# Altium PCB SimPad_Nano.PcbDoc
Units mm, origin at the board's own origin, x right, y up, seen from the top; angles counter-clockwise.
Board outline 48.82 x 20 mm, 2 copper layers (Top Layer, Bottom Layer); 11 components, 12 nets, 71 pads, 2 vias.
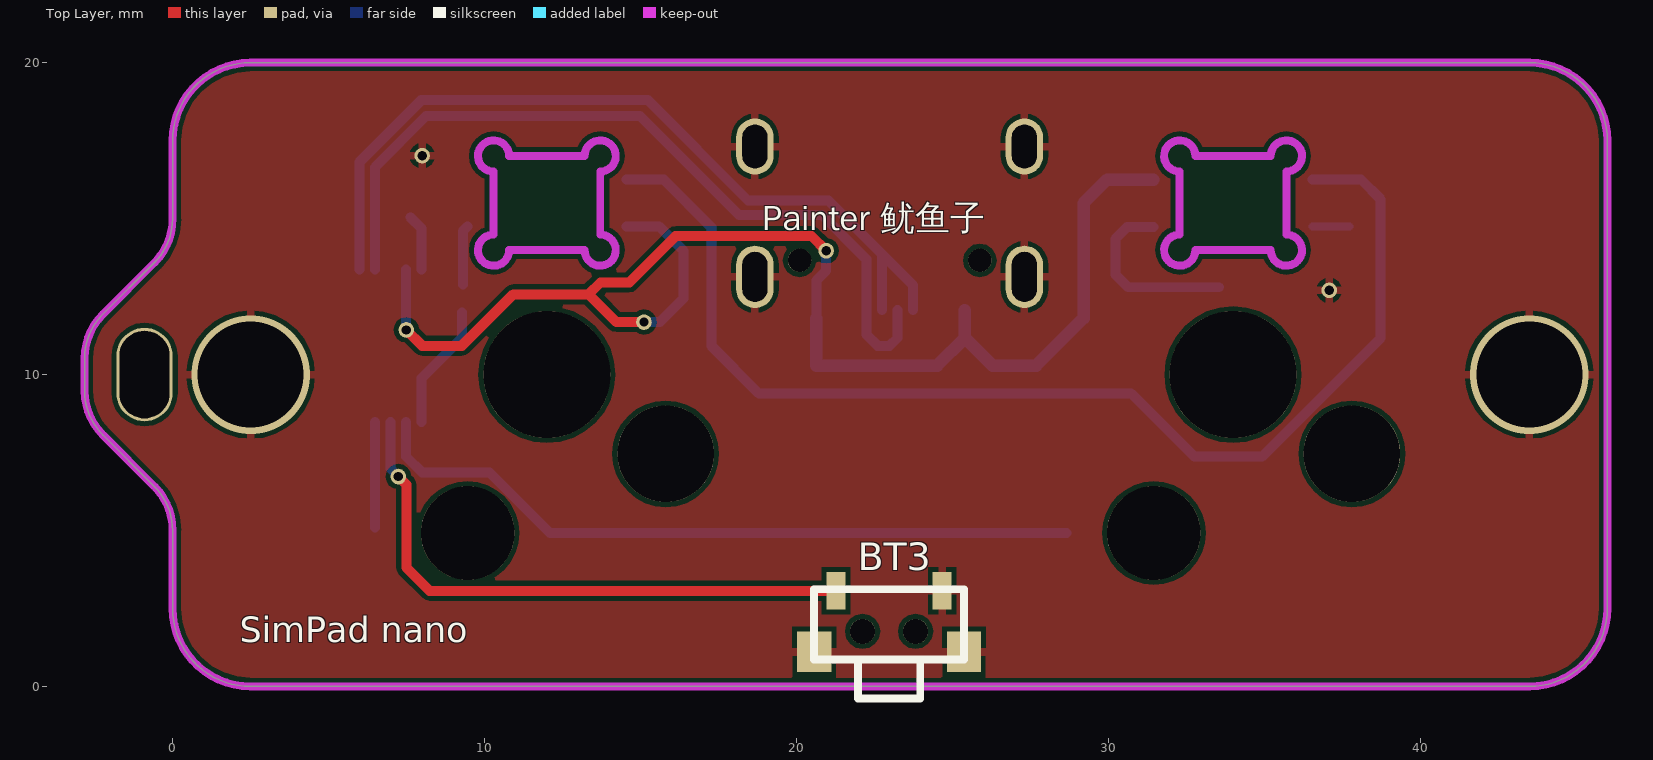
[diagram p0: Top Layer view]
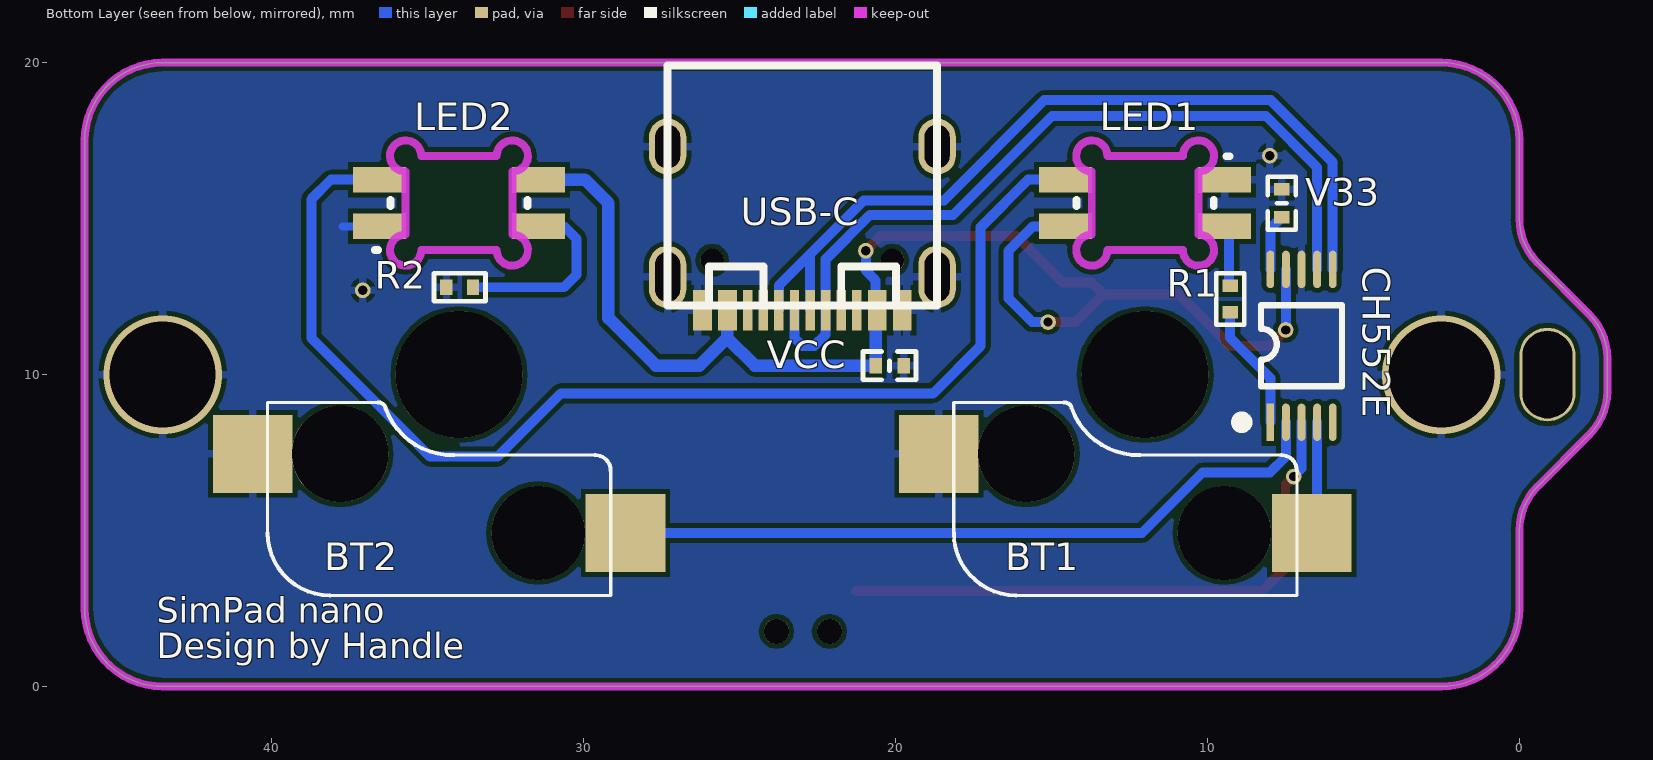
[diagram p1: Bottom Layer view, seen from below]
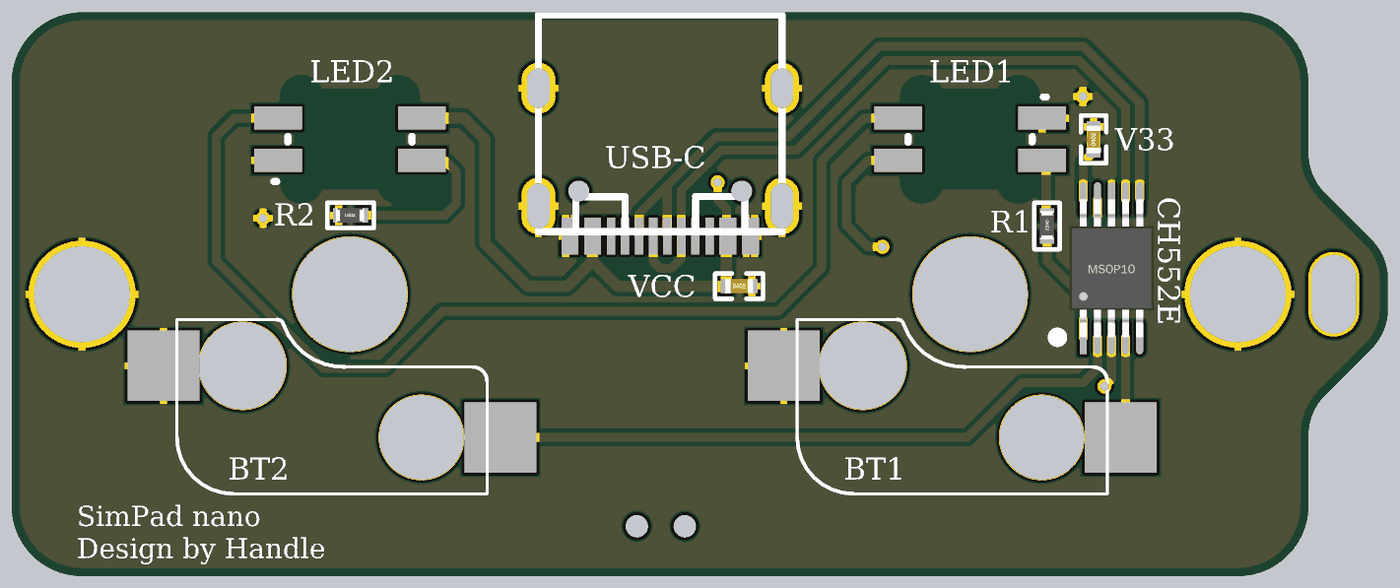
[diagram p2: 3D render of the assembled board from below, using the file's embedded part models]

## Layer stack, top to bottom
Top Layer: signal copper 0.0356
Dielectric: dielectric 0.32, FR-4, Dk 4.8
Bottom Layer: signal copper 0.0356

## Board outline
-2.233,8.062 cw(c-0.819,9.476) -2.819,9.476 -2.819,10.524 cw(c-0.819,10.524) -2.233,11.938 -0.586,13.585 -0.586,13.586 ccw(c-2,15) 0,15 0,17.5 cw(c2.5,17.5) 2.5,20 43.5,20 cw(c43.5,17.5) 46,17.5 46,2.5 cw(c43.5,2.5) 43.5,0 2.5,0 cw(c2.5,2.5) 0,2.5 0,5 ccw(c-2,5) -0.586,6.414

## Design rules (kind name [scope] priority, off if disabled: settings)
Clearance [All] p1: gap=0.15
PolygonConnect [All] p1: connectstyle=Relief reliefconductorwidth=0.254 reliefentries=4 polygonreliefangle="90 Angle"
RoutingVias [All] p1: holewidth=0.3 width=0.5 viastyle="Through Hole" minholewidth=0.3 minwidth=0.5 maxholewidth=0.711 maxwidth=1.27
SilkscreenOverComponentPads [All] p1: minsilkscreentomaskgap=0.254
SolderMaskExpansion [All] p1: expansion=0.102
Width [All] p1: maxlimit=2 minlimit=0.254 preferedwidth=0.254
27 further rules are at their usual default settings.

## Components (designator, comment, footprint, x,y, rotation, side; value= is the part's Value field where it differs from the comment)
BT1 "MX_SW" "MX_SW-4 -3F" 12,10 r180 bottom
BT2 "MX_SW" "MX_SW-4 -3F" 34,10 r180 bottom
BT3 "2x4 SW" "侧按 带柱 2*4*3.5" 23,1 r180 top
CH552E "CH552E" MSOP10_L 6.985,10.922 r180 bottom
LED1 "WS2812-1" WS2812-3528反贴 12,15.5 r0 bottom
LED2 "WS2812-2" WS2812-3528反贴 34,15.5 r180 bottom
R1 "500Ω" "R 0402_L" 9.271,12.446 r270 bottom
R2 "500Ω" "R 0402_L" 34,12.8 r180 bottom
USB-C "USB-C" USB-typeC-16P-SMT 23.053,15.113 r0 bottom
V33 "104" "C 0402_L" 7.62,15.494 r90 bottom
VCC "104" "C 0402_L" 20.193,10.287 r180 bottom

## Footprints (in the part's own frame and the unit in brackets; to place one, negate y for a bottom-side part, rotate by r counter-clockwise, add the part's x,y. Pads: shape width x height; smd on the part's side, far side on the other; paste and mask are expansions set on the pad)
"C 0402_L" [mm]
  rect 0.4x0.5 smd: 1(-0.45,0) 2(0.45,0)
  silkscreen extent -0.85,-0.45 0.85,0.45, body extent -0.5,-0.26 0.5,0.26, height 0.53
MSOP10_L [mm]
  rect 0.25x1.2 smd: 1(-1,-2.45)
  oval 0.25x1.2 smd: 2(-0.5,-2.45) 3(0,-2.45) 4(0.5,-2.45) 5(1,-2.45) 6(1,2.45) 7(0.5,2.45) 8(0,2.45) 9(-0.5,2.45) 10(-1,2.45)
  silkscreen extent -2.07,-2.6 1.3,1.3, body extent -1.5,-2.45 1.5,2.45, height 0.95
"MX_SW-4 -3F" [mm] "with Fixation pins  1-Pole"
  rect 2.55x2.5 smd: 1(-6.61,-2.54) 2(5.34,-5.08)
  round 3.1 hole 3.1: ""(-3.81,-2.54)
  round 4.064 hole 4.064: ""(0,0)
  round 3 hole 3: ""(2.54,-5.08)
  silkscreen extent -6.13,-7.08 4.86,-0.9
"R 0402_L" [mm]
  rect 0.4x0.5 smd: 1(-0.4,0) 2(0.45,0)
  silkscreen extent -0.8,-0.45 0.85,0.45, body extent -0.5,-0.25 0.5,0.25, height 0.3
USB-typeC-16P-SMT [mm]
  oval 1.2x1.8 hole 0.8 slot 1.4 at 90 deg: 0(-4.382,-2.198) 0(4.258,-2.198)
  oval 1.2x2 hole 0.8 slot 1.6 at 90 deg: 0(-4.382,1.982) 0(4.258,1.982)
  rect 0.3x1.3 smd: A1(-3.412,3.049) A4(-2.611,3.049) A5(-1.311,3.049) A6(-0.311,3.049) A7(0.188,3.049) A8(1.188,3.05) A9(2.489,3.05) A12(3.288,3.049) B1(2.988,3.049) B4(2.188,3.05) B5(1.689,3.049) B6(0.689,3.049) B7(-0.812,3.049) B8(-1.812,3.05) B9(-2.311,3.049) B12(-3.112,3.049)
  round 0.75 hole 0.75 unplated: ""(-2.952,1.452) ""(2.828,1.452)
  silkscreen extent -4.38,-4.8 4.26,2.9
WS2812-3528反贴 [mm]
  rect 1.7x0.82 smd: 1(2.55,0.75) 2(2.55,-0.75) 3(-2.55,-0.75) 4(-2.55,0.75)
  Keep-Out Layer lines w0.254: -1.71,1.01 cw(c-1.71,1.51) -1.21,1.51 1.21,1.51 cw(c1.71,1.51) 1.71,1.01 1.71,-1.01 cw(c1.71,-1.51) 1.21,-1.51 -1.21,-1.51 cw(c-1.71,-1.51) -1.71,-1.01 -1.71,1.01
  silkscreen extent -2.7,-1.5 2.2,0.1
"侧按 带柱 2*4*3.5" [mm]
  rect 0.6x1.2 smd: 1(-1.671,-2.067) 2(1.729,-2.067)
  rect 1.1x1.3 smd: 3(-2.371,-0.117) 4(2.429,-0.117)
  round 0.8 hole 0.8 unplated: ""(-0.821,-0.767) ""(0.879,-0.767)
  silkscreen extent -2.37,-2.12 2.43,1.38

## Part data
BT1 BT2: library part MX_SW-4, "with Fixation pins  1-Pole"
CH552E: library part BS81
LED1 LED2: library part WS
USB-C: library part USB-C/1

## Free pads (board coordinates)
  oval 1.8x3 hole 1.6 slot 2.8 at 90 deg: 0(-0.9,10)
  round 0.5 hole 0.3: 2(7.239,6.731) 3(7.493,11.43) 3(8.001,17.018) 3(15.113,11.684) 3(20.955,13.97) 3(37.084,12.7)

## Via types
v1: diameter 3.8, hole 3.4, Top Layer to Bottom Layer, 2 vias

## Nets (pads, with @x,y where several pads share a name; then routed paths per layer and width w, separated by ;. In a path a pad name is that pad's centre, name@x,y a point inside that pad or via, vN(x,y) a via of type N, cw(c..) or ccw(c..) an arc to the next point about the centre after c; other vN are vias at no path point)
1.4: CH552E.1 R1.2 | length 4.1
  Bottom Layer w0.32: CH552E.1 7.985,9.89 9.271,11.176 R1.2
1.5: BT2.2 CH552E.2 | length 23.3
  Bottom Layer w0.32: CH552E.2 7.485,7.374 8.001,6.858 10.16,6.858 12.098,4.92 BT2.2
1.6: BT3.2 CH552E.3 pad.2 | length 19
  Top Layer w0.32: pad.2 7.493,6.477 7.493,3.81 8.236,3.067 BT3.2
  Bottom Layer w0.32: CH552E.3 6.985,6.985 pad.2
1.7: BT1.2 CH552E.4 | length 3.4
  Bottom Layer w0.32: BT1.2@6.485,5.095 CH552E.4
D+: CH552E.6 USB-C.A6 USB-C.B6 | length 27.1
  Bottom Layer w0.32: CH552E.6 5.985,16.81 7.971,18.796 15.24,18.796 18.453,15.583 21.023,15.583 23.742,12.864 USB-C.B6 ; USB-C.A6 22.742,13.843
D-: CH552E.7 USB-C.A7 USB-C.B7 | length 26.2
  Bottom Layer w0.32: CH552E.7 6.485,16.645 8.128,18.288 14.986,18.288 18.161,15.113 20.828,15.113 22.241,13.7 USB-C.B7 22.241,11.287 22.606,10.922 22.987,10.922 23.241,11.176 USB-C.A7
GND: BT1.1 BT2.1 BT3.1 BT3.3 BT3.4 CH552E.8 LED1.3 LED2.3 pad.3@8.001,17.018 pad.3@37.084,12.7 R2.1 USB-C.0 USB-C.A1 USB-C.A12 USB-C.B1 USB-C.B12 V33.2 VCC.2 | length 1.2
  Bottom Layer w0.254: LED2.3 37.737,14.75
  other v1: 2.5,10 43.5,10
NetLED1_2: LED1.2 LED2.4 | length 38.6
  Bottom Layer w0.32: LED1.2 15.748,16.25 17.272,14.726 17.272,10.922 18.796,9.398 30.734,9.398 32.766,7.366 34.925,7.366 38.735,11.176 38.735,15.621 38.106,16.25 LED2.4
NetLED1_4: LED1.4 R1.1 | length 1.9
  Bottom Layer w0.32: R1.1@9.305,12.88 9.305,14.605 LED1.4
NetLED2_2: LED2.2 R2.2 | length 6
  Bottom Layer w0.32: LED2.2@31.45,14.732 30.607,14.732 30.226,14.351 30.226,13.208 30.634,12.8 R2.2
V3: CH552E.10 V33.1 | length 1.8
  Bottom Layer w0.32: V33.1 7.985,14.679 CH552E.10
VCC: CH552E.9 LED1.1 LED2.1 pad.3@7.493,11.43 pad.3@15.113,11.684 pad.3@20.955,13.97 USB-C.A4 USB-C.A9 USB-C.B4 USB-C.B9 VCC.1 | length 45.6
  Top Layer w0.32: pad.3@7.493,11.43 8.001,10.922 9.271,10.922 10.922,12.573 13.335,12.573 ; pad.3@15.113,11.684 14.224,11.684 13.335,12.573 ; pad.3@20.955,13.97 20.484,14.441 16.129,14.441 14.642,12.954 13.716,12.954 13.335,12.573
  Bottom Layer w0.32: pad.3@7.485,11.438 CH552E.9 ; LED1.1 15.603,14.75 16.383,13.97 16.383,12.446 15.621,11.684 pad.3@15.113,11.684 ; USB-C.B9@20.643,11.811 20.643,13.023 20.955,13.335 pad.3@20.955,13.97
  Bottom Layer w0.4: pad.3@7.485,11.438 pad.3@7.493,11.43 ; USB-C.B9@20.643,11.811 VCC.1 24.511,10.287 25.4,11.176 ; USB-C.A9@25.4,12.063 25.4,11.176 ; LED2.1 29.966,16.25 29.21,15.494 29.21,11.811 27.686,10.287 26.289,10.287 25.4,11.176
pads on no net: BT1. BT2. BT3. CH552E.5 USB-C. USB-C.A5 USB-C.A8 USB-C.B5 USB-C.B8

## Polygon pours and split planes (outlines as drawn)
GND on Top Layer "Bottom Layer-No Net" (solid, remove dead copper, pour order 8): 0.127,20.574 -4.064,16.383 -4.064,10.287 -4.064,3.683 -1.397,1.016 0.254,-0.635 1.27,-0.635 45.593,-0.635 45.72,-0.762 47.371,0.889 47.371,1.651 47.371,18.923 46.228,20.066 45.212,21.082 43.561,21.082
GND on Bottom Layer "Bottom Layer-No Net" (solid, remove dead copper, pour order 6): -0.381,20.574 -2.921,18.034 -2.921,14.224 -2.921,11.176 -3.81,10.287 -2.54,9.017 -2.54,1.016 -2.032,1.016 0.127,-1.143 0.381,-1.397 27.178,-1.397 45.466,-1.397 46.228,-0.635 46.609,-0.254 46.609,2.032 46.609,14.224 47.117,14.732 46.863,14.986 46.863,19.939 44.958,19.939 43.942,20.955 43.815,21.082 40.767,21.082

## Keep-outs
Keep-Out Layer:
  the board outline again, w0.254

## Silkscreen, mask and mechanical layers (free items; w line width, h text height)
Top Overlay:
  text "Painter 鱿鱼子" at 18.923,14.351 h1.4
  text "SimPad nano" at 2.159,1.143 h1.4
Bottom Overlay:
  text "SimPad nano" at 43.688,1.778 h1.4
  text "Design by Handle" at 43.688,0.635 h1.4